# Altium PCB MCU009B_PCB_ASCII.PcbDoc (part 1 of 4) (continued)
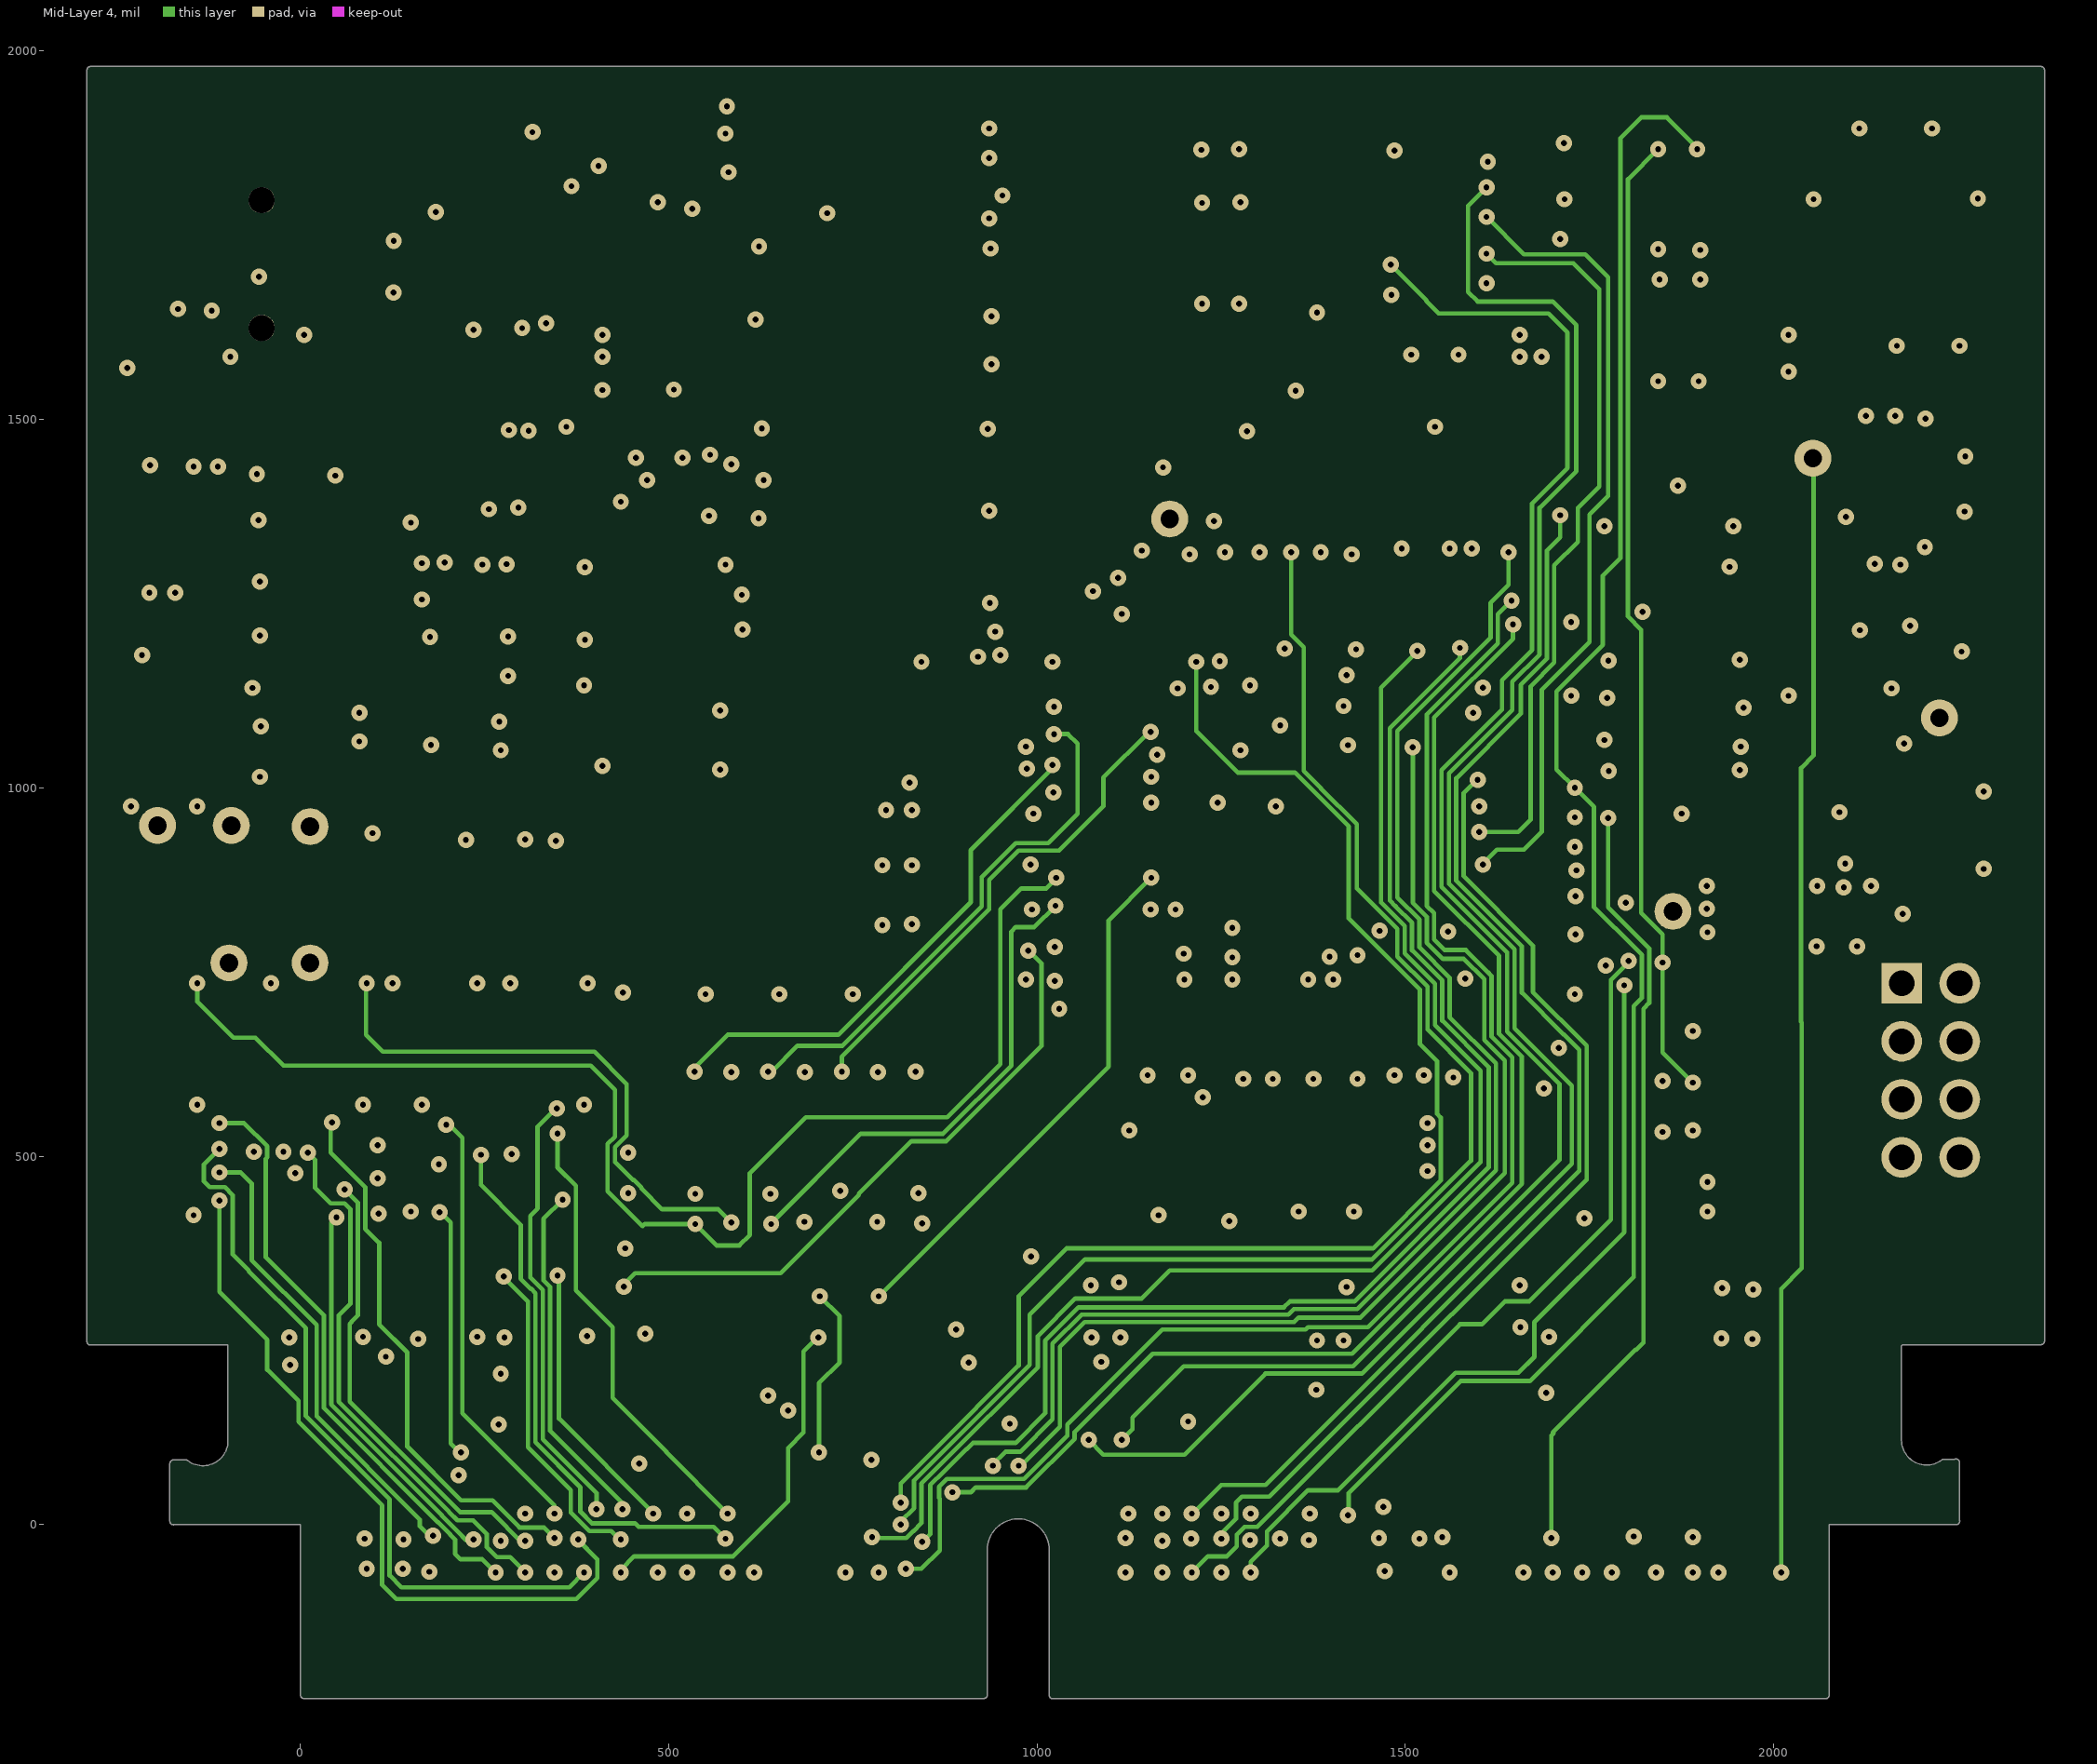
[diagram p4: Mid-Layer 4]
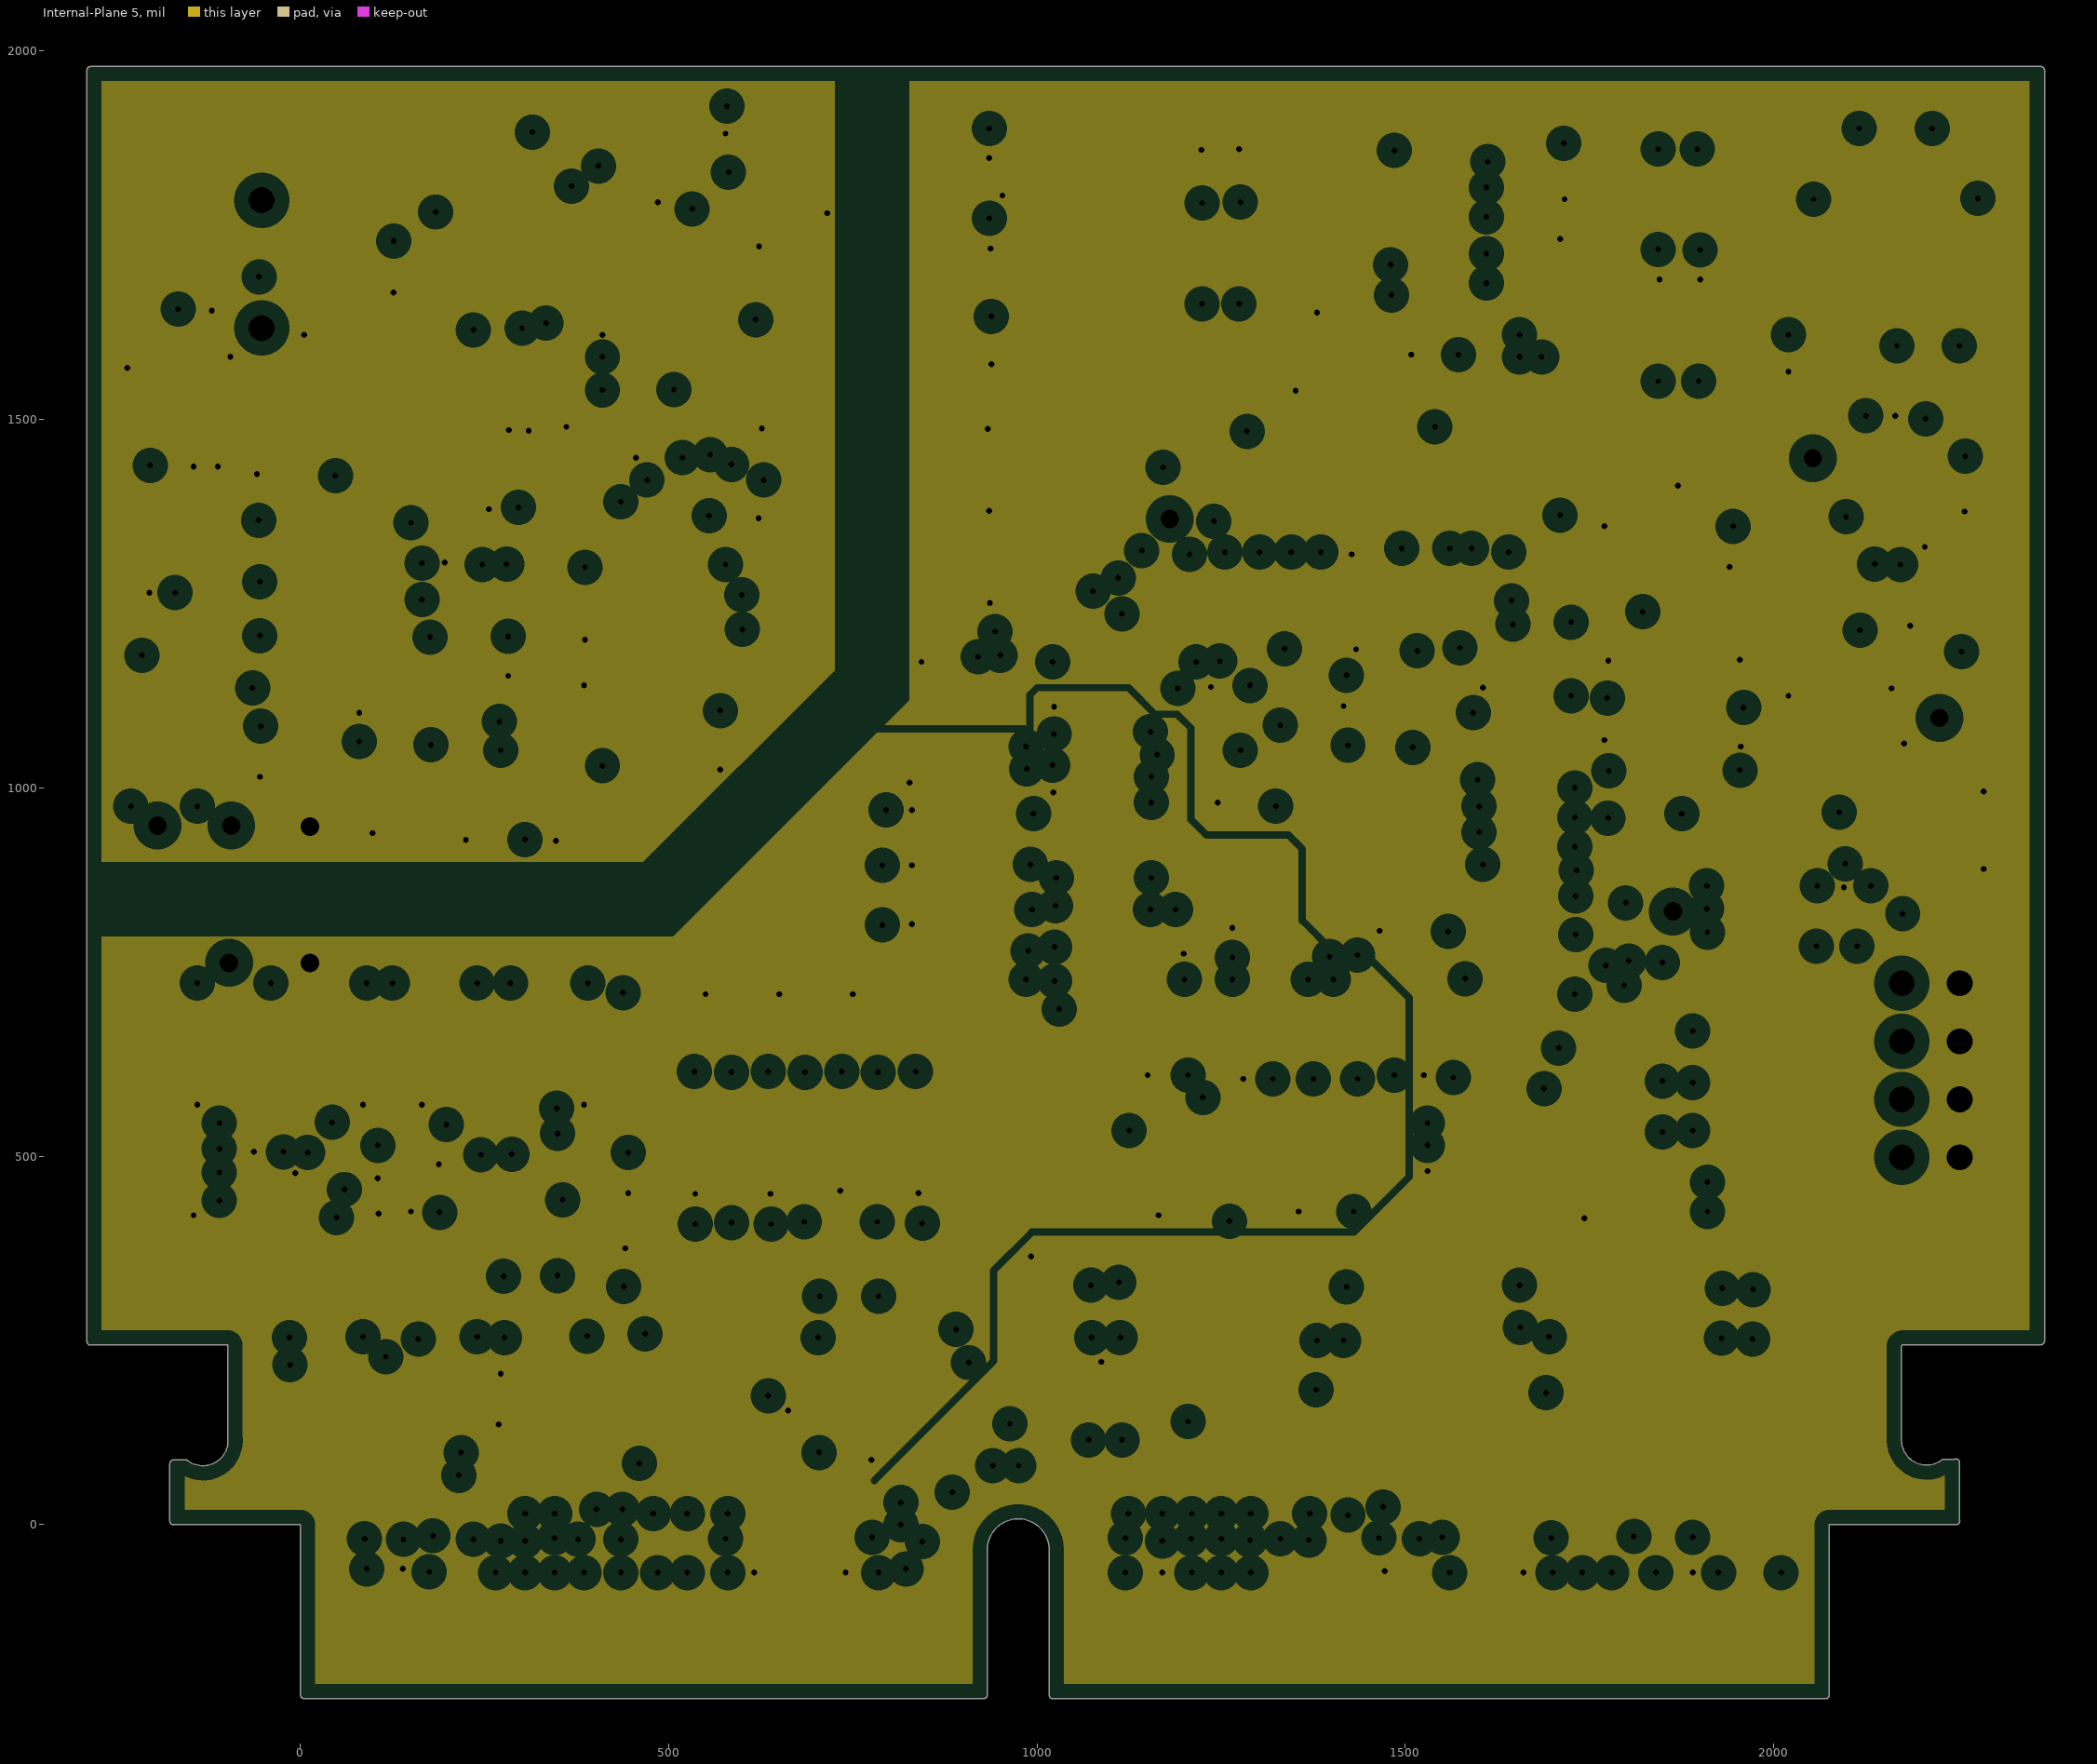
[diagram p5: Internal-Plane 5, clearances drawn from the general rule]
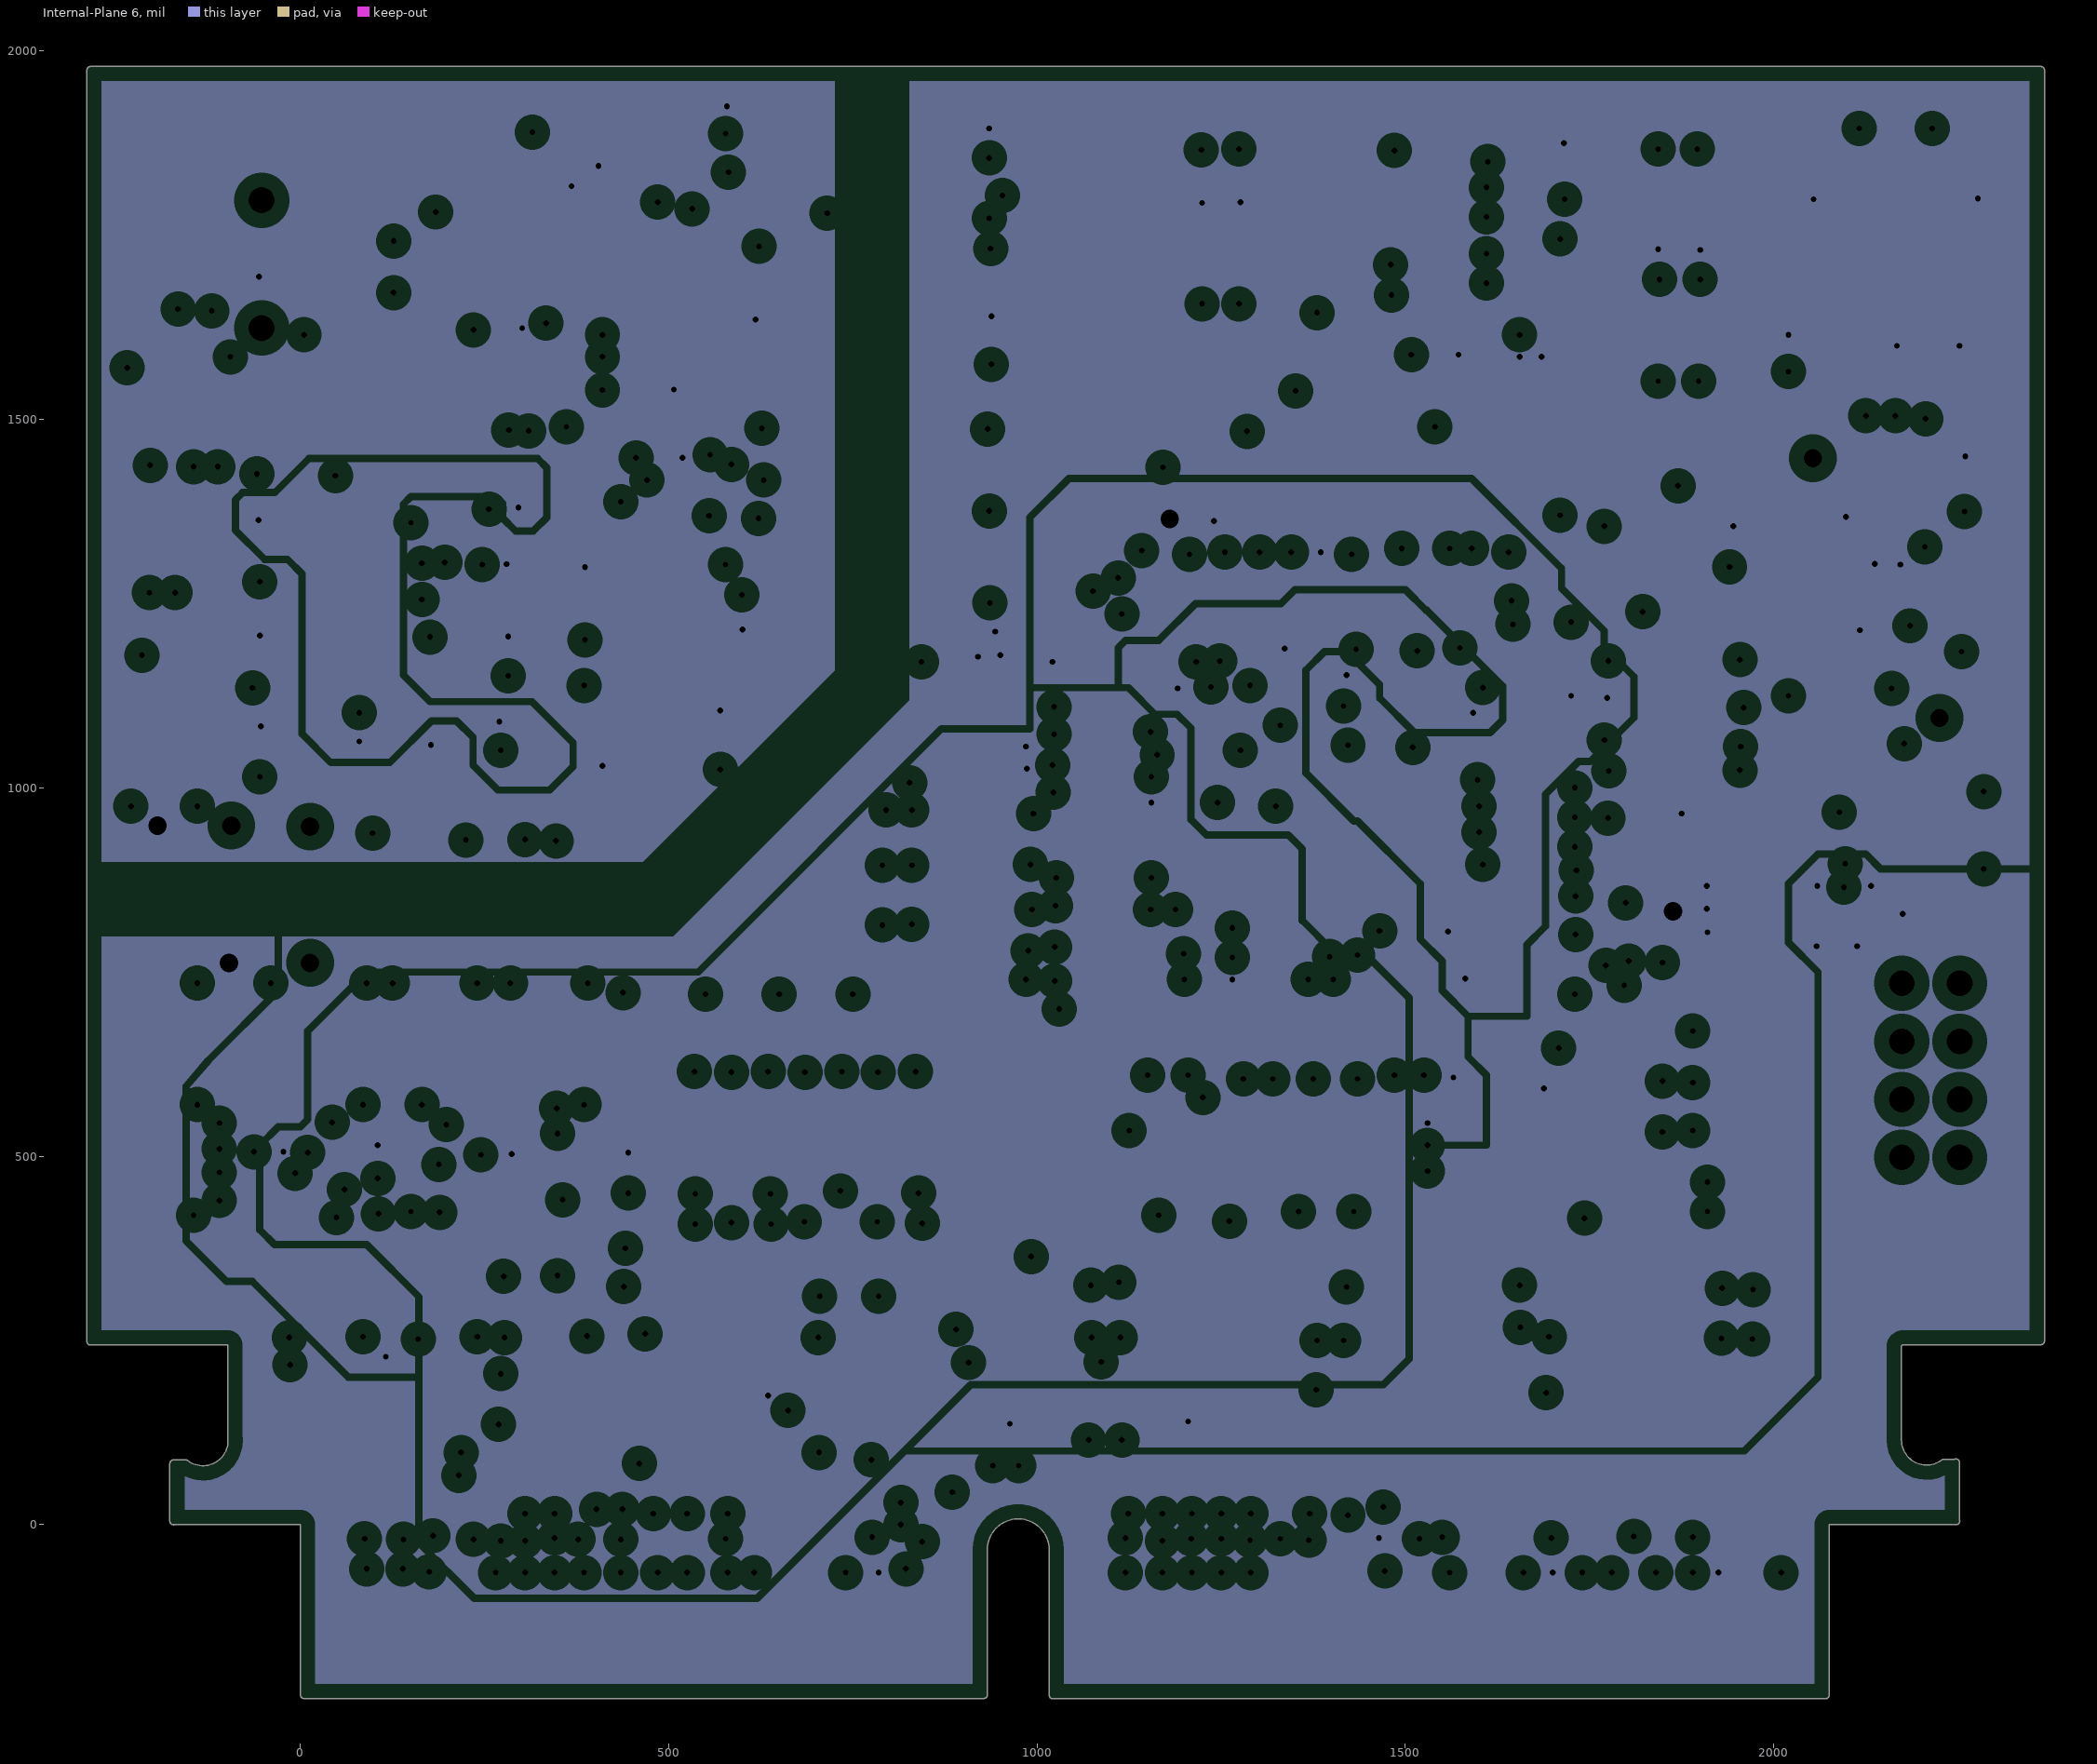
[diagram p6: Internal-Plane 6, clearances drawn from the general rule]
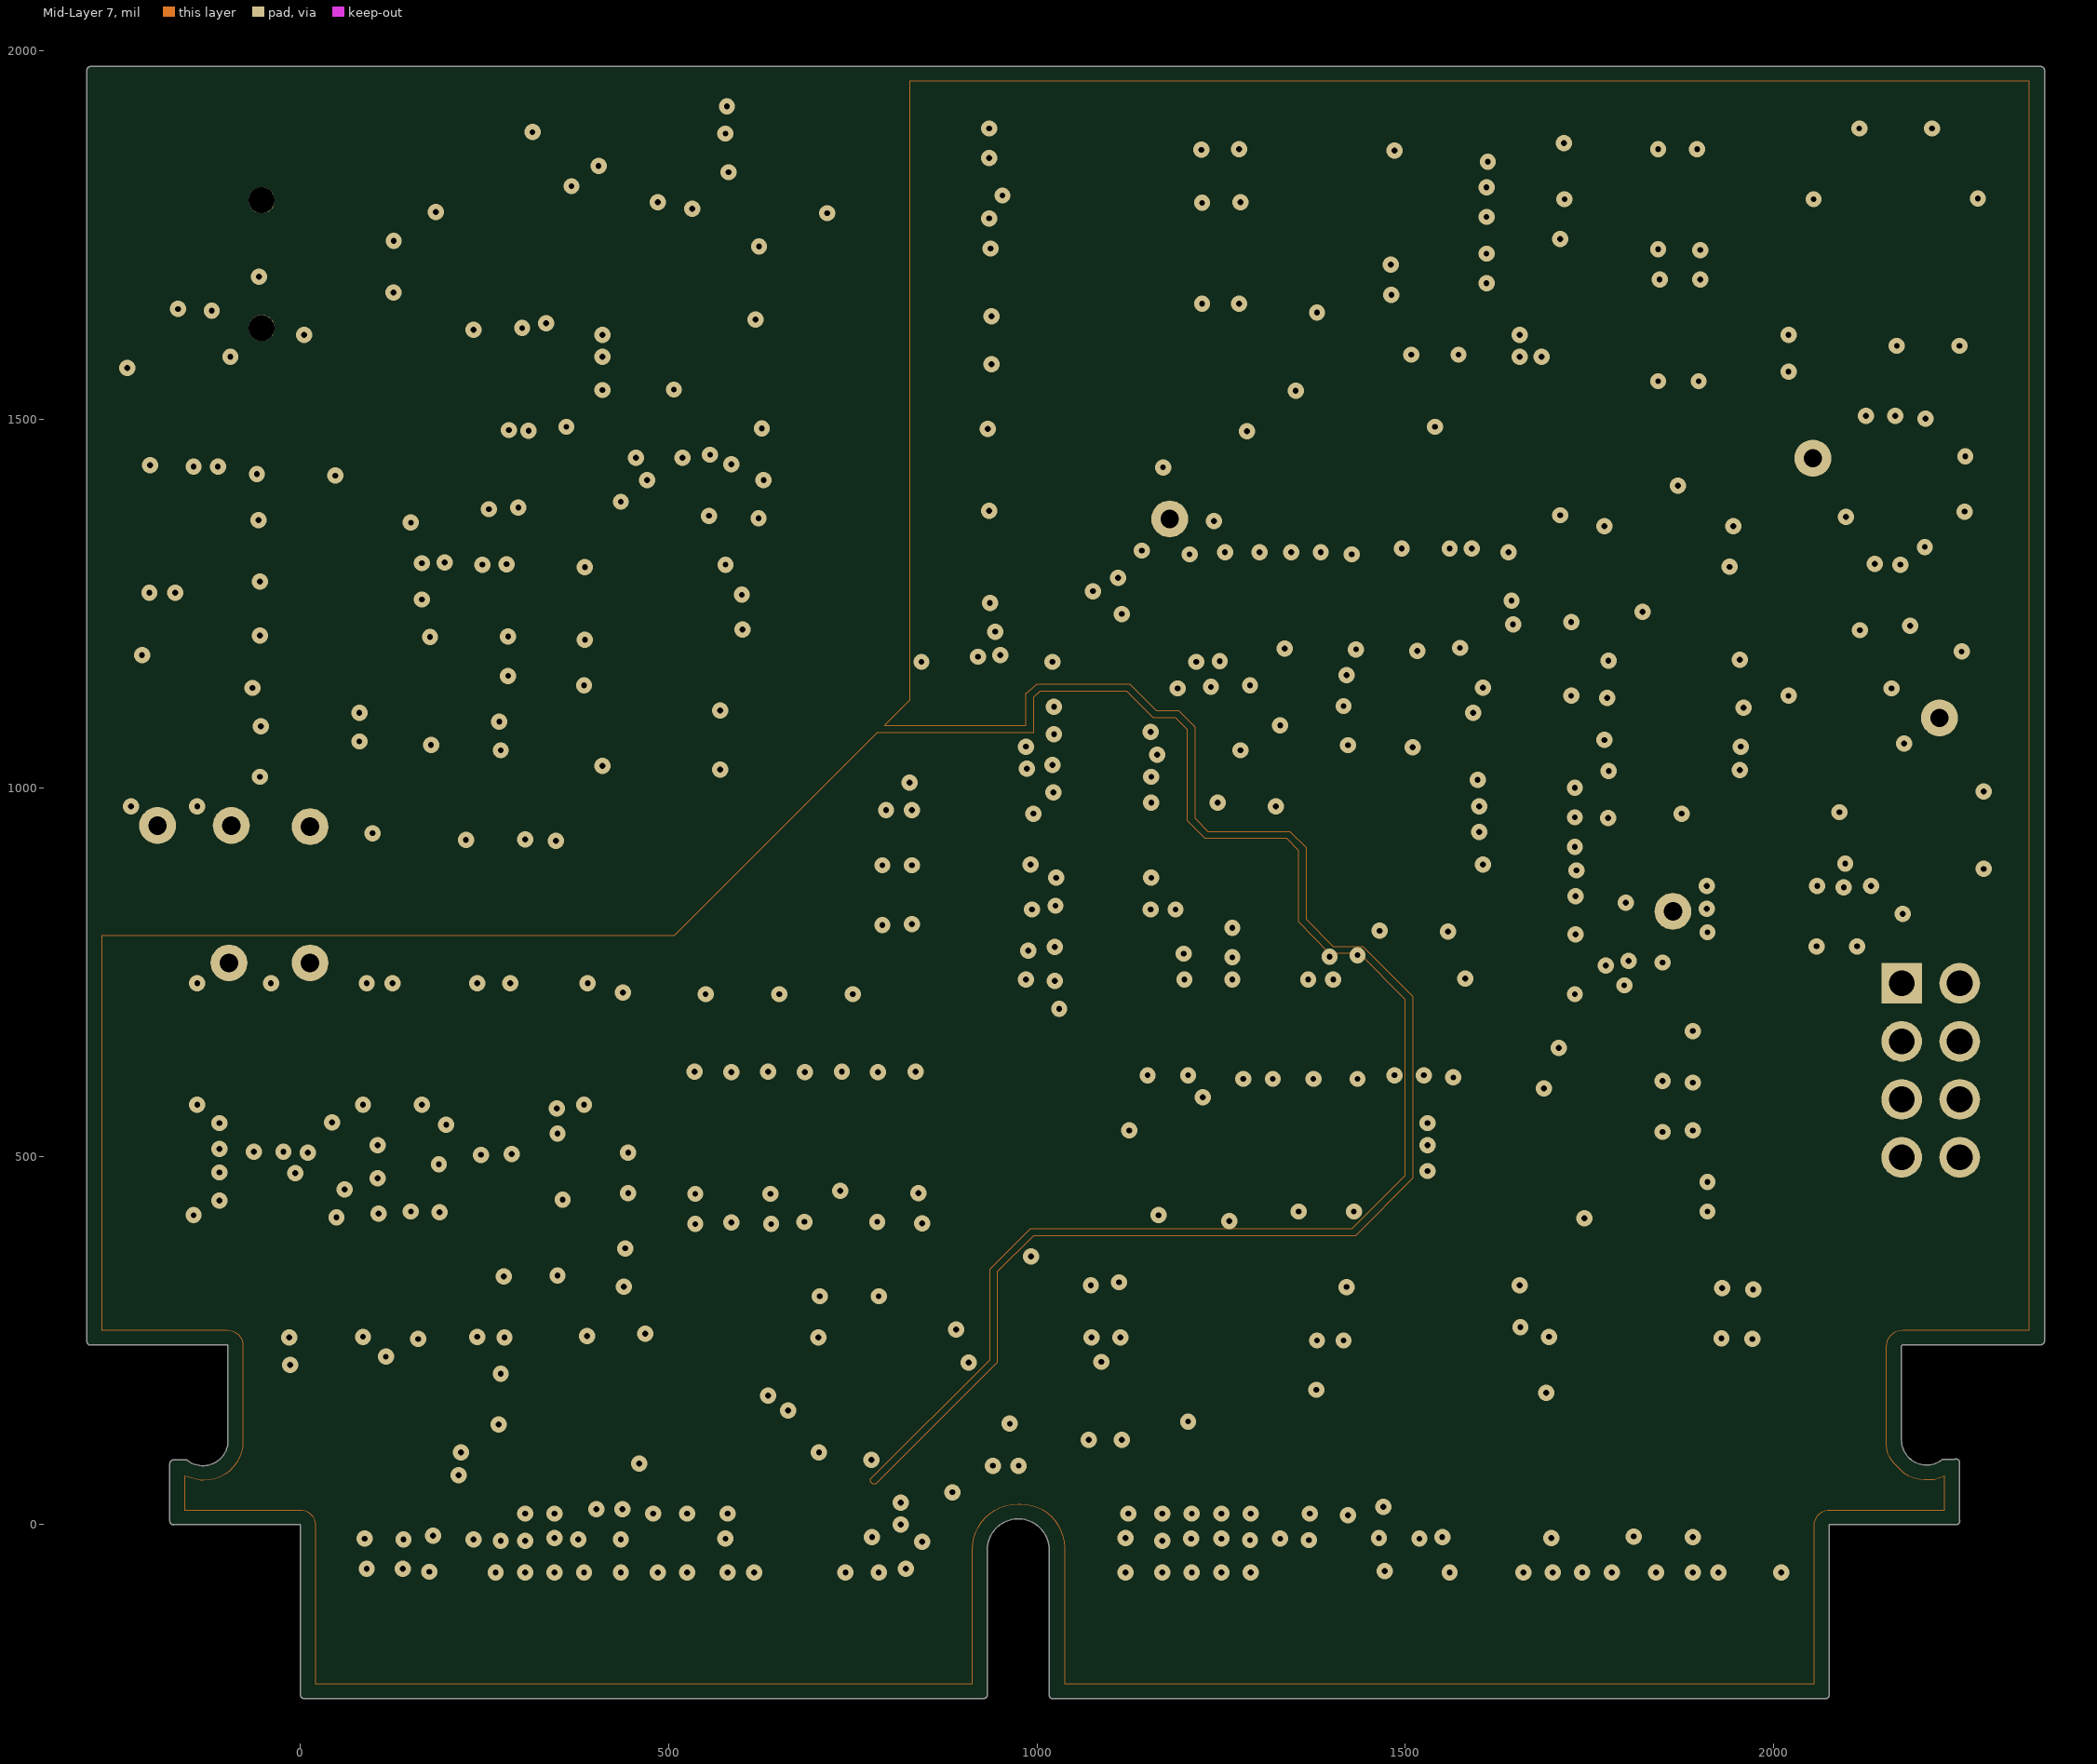
[diagram p7: Mid-Layer 7]